# KiCad board RSTU.kicad_pcb

Outline 225 x 113 mm; copper layers: Top, Bottom. Coordinates in mm from the lower left corner of the outline.
Outline path: 0,113 225,113 225,0 0,0 0,113

## Placement (name value [footprint] x y rotation side)
J_K083  Conn_02x14_Counter_Clockwise  [DIP-28_W15.24mm]  176.61 75.93 90 top
J_K85  Conn_02x14_Counter_Clockwise  [DIP-28_W15.24mm]  120.99 6.84 90 top
J_K502  Conn_02x14_Counter_Clockwise  [DIP-28_W15.24mm]  6.81 75.68 90 top
J_K503  Conn_02x20_Counter_Clockwise  [DIP-40_W15.24mm]  166.71 7.22 90 top
RN1  10k?  [R_Array_SIP9]  29.93 52.31 180 top
U1  74LS00  [DIP-14_W7.62mm]  116.92 83.05 90 top
U2  74LS86  [DIP-14_W7.62mm]  117.93 27.94 90 top
U3  74LS04  [DIP-14_W7.62mm]  138.51 82.93 90 top
U4  74LS86  [DIP-14_W7.62mm]  142.32 28.32 90 top
U5  74LS273  [DIP-20_W7.62mm]  106.77 40.64 90 top
U6  74LS273  [DIP-20_W7.62mm]  135.85 40.62 90 top
U7  74LS83  [DIP-16_W7.62mm]  114.4 54.35 90 top
U8  74LS83  [DIP-16_W7.62mm]  138.51 54.59 90 top
U9  74LS257  [DIP-16_W7.62mm]  114.27 68.07 90 top
U10  74LS257  [DIP-16_W7.62mm]  138.4 68.07 90 top
U11  74LS74  [DIP-14_W7.62mm]  14.81 95.36 90 top
U12  74LS244  [DIP-20_W7.62mm]  6.95 57.4 90 top
U13  74LS273  [DIP-20_W7.62mm]  6.81 39.48 90 top
U14  7425  [DIP-14_W7.62mm]  14.3 21.33 90 top
U15  74LS00  [DIP-14_W7.62mm]  42.63 95.74 90 top
U16  74LS32  [DIP-14_W7.62mm]  43 79.75 90 top
U17  74LS157  [DIP-16_W7.62mm]  40.48 56.89 90 top
U18  74LS157  [DIP-16_W7.62mm]  40.23 39.24 90 top
U19  74LS157  [DIP-16_W7.62mm]  40.34 21.32 90 top
U20  74LS194  [DIP-16_W7.62mm]  65.76 95.75 90 top
U21  74LS194  [DIP-16_W7.62mm]  65.63 79.88 90 top
U22  74LS157  [DIP-16_W7.62mm]  66.63 56.88 90 top
U23  74LS04  [DIP-14_W7.62mm]  69.04 38.73 90 top
U24  74LS74  [DIP-14_W7.62mm]  68.79 21.32 90 top
U25  74LS194  [DIP-16_W7.62mm]  89 95.75 90 top
U26  74LS194  [DIP-16_W7.62mm]  89.25 79.88 90 top
U27  74LS74  [DIP-14_W7.62mm]  91.64 56.89 90 top
U28  74LS74  [DIP-14_W7.62mm]  92.03 24.89 90 top
U29  74LS32  [DIP-14_W7.62mm]  91.77 7.49 90 top
U30  74LS86  [DIP-14_W7.62mm]  169.37 60.07 90 top
U31  74LS283  [DIP-16_W7.62mm]  166.71 43.42 90 top
U32  74LS283  [DIP-16_W7.62mm]  166.72 28.32 90 top
U33  74LS20  [DIP-14_W7.62mm]  202.01 60.18 90 top
U34  74LS273  [DIP-20_W7.62mm]  194.39 43.55 90 top
U35  74LS86  [DIP-14_W7.62mm]  199.73 28.31 90 top

## Library data of the parts
J_K083 J_K85 J_K502 = -: Description: Generic connector, double row, 02x14, counter clockwise pin numbering scheme (similar to DIP package numbering), script generated (kicad-library-utils/schlib/autogen/connector/)
J_K503 = -: Description: Generic connector, double row, 02x20, counter clockwise pin numbering scheme (similar to DIP package numbering), script generated (kicad-library-utils/schlib/autogen/connector/)
RN1 = -: Description: 8 resistor network, star topology, bussed resistors, small symbol
U1 U15 = -: Description: quad 2-input NAND gate
U2 U4 U30 U35 = -: Description: Quad 2-input XOR
U3 U23 = -: Description: Hex Inverter
U5 U6 U13 U34 = -: Description: 8-bit D Flip-Flop, reset
U7 U8 = -: Description: 4-bit Full Adder
U9 U10 = -: Description: Quad 2 to 1 Multiplexer
U11 U24 U27 U28 = -: Description: Dual D Flip-flop, Set & Reset
U12 = -: Description: Octal Buffer and Line Driver With 3-State Output, active-low enables, non-inverting outputs
U16 U29 = -: Description: Quad 2-input OR
U17-U19 U22 = -: Description: Quad 2 to 1 line Multiplexer
U20 U21 U25 U26 = -: Description: Shift Register 4-bit Bidirectional
U31 U32 = -: Description: 4-bit full Adder
U33 = -: Description: Dual 4-input NAND

## Footprints (pads in the part's own frame, mm; a bottom-side part is the same pattern mirrored in y, then rotated)
DIP-14_W7.62mm
  rect 1.6x1.6 hole 0.8: 1(0,0)
  oval 1.6x1.6 hole 0.8: 2(0,-2.54) 3(0,-5.08) 4(0,-7.62) 5(0,-10.16) 6(0,-12.7) 7(0,-15.24) 8(7.62,-15.24) 9(7.62,-12.7) 10(7.62,-10.16) 11(7.62,-7.62) 12(7.62,-5.08) 13(7.62,-2.54) 14(7.62,0)
DIP-16_W7.62mm
  rect 1.6x1.6 hole 0.8: 1(0,0)
  oval 1.6x1.6 hole 0.8: 2(0,-2.54) 3(0,-5.08) 4(0,-7.62) 5(0,-10.16) 6(0,-12.7) 7(0,-15.24) 8(0,-17.78) 9(7.62,-17.78) 10(7.62,-15.24) 11(7.62,-12.7) 12(7.62,-10.16) 13(7.62,-7.62) 14(7.62,-5.08) 15(7.62,-2.54) 16(7.62,0)
DIP-20_W7.62mm
  rect 1.6x1.6 hole 0.8: 1(0,0)
  oval 1.6x1.6 hole 0.8: 2(0,-2.54) 3(0,-5.08) 4(0,-7.62) 5(0,-10.16) 6(0,-12.7) 7(0,-15.24) 8(0,-17.78) 9(0,-20.32) 10(0,-22.86) 11(7.62,-22.86) 12(7.62,-20.32) 13(7.62,-17.78) 14(7.62,-15.24) 15(7.62,-12.7) 16(7.62,-10.16) 17(7.62,-7.62) 18(7.62,-5.08) 19(7.62,-2.54) 20(7.62,0)
DIP-28_W15.24mm
  rect 1.6x1.6 hole 0.8: 1(0,0)
  oval 1.6x1.6 hole 0.8: 2(0,-2.54) 3(0,-5.08) 4(0,-7.62) 5(0,-10.16) 6(0,-12.7) 7(0,-15.24) 8(0,-17.78) 9(0,-20.32) 10(0,-22.86) 11(0,-25.4) 12(0,-27.94) 13(0,-30.48) 14(0,-33.02) 15(15.24,-33.02) 16(15.24,-30.48) 17(15.24,-27.94) 18(15.24,-25.4) 19(15.24,-22.86) 20(15.24,-20.32) 21(15.24,-17.78) 22(15.24,-15.24) 23(15.24,-12.7) 24(15.24,-10.16) 25(15.24,-7.62) 26(15.24,-5.08) 27(15.24,-2.54) 28(15.24,0)
DIP-40_W15.24mm
  rect 1.6x1.6 hole 0.8: 1(0,0)
  oval 1.6x1.6 hole 0.8: 2(0,-2.54) 3(0,-5.08) 4(0,-7.62) 5(0,-10.16) 6(0,-12.7) 7(0,-15.24) 8(0,-17.78) 9(0,-20.32) 10(0,-22.86) 11(0,-25.4) 12(0,-27.94) 13(0,-30.48) 14(0,-33.02) 15(0,-35.56) 16(0,-38.1) 17(0,-40.64) 18(0,-43.18) 19(0,-45.72) 20(0,-48.26) 21(15.24,-48.26) 22(15.24,-45.72) 23(15.24,-43.18) 24(15.24,-40.64) 25(15.24,-38.1) 26(15.24,-35.56) 27(15.24,-33.02) 28(15.24,-30.48) 29(15.24,-27.94) 30(15.24,-25.4) 31(15.24,-22.86) 32(15.24,-20.32) 33(15.24,-17.78) 34(15.24,-15.24) 35(15.24,-12.7) 36(15.24,-10.16) 37(15.24,-7.62) 38(15.24,-5.08) 39(15.24,-2.54) 40(15.24,0)
R_Array_SIP9
  rect 1.6x1.6 hole 0.8: 1(0,0)
  oval 1.6x1.6 hole 0.8: 2(2.54,0) 3(5.08,0) 4(7.62,0) 5(10.16,0) 6(12.7,0) 7(15.24,0) 8(17.78,0) 9(20.32,0)

## Nets
+5V: J_K083.28 J_K85.28 J_K502.28 J_K503.40 U1.14 U2.14 U3.14 U4.14 U5.20 U6.1 U6.20 U7.5 U8.5 U9.16 U10.16 U11.4 U11.10 U11.13 U11.14 U12.20 U13.1 U13.20 U14.3 U14.11 U14.14 U15.14 U16.14 U17.16 U18.16 U19.16 U20.1 U20.16 U21.1 U21.16 U22.16 U23.14 U24.1 U24.4 U24.10 U24.13 U24.14 U25.1 U25.16 U26.1 U26.16 U27.1 U27.4 U27.10 U27.13 U27.14 U28.1 U28.4 U28.10 U28.13 U28.14 U29.14 U30.14 U31.16 U32.16 U33.1 U33.14 U34.1 U34.20 U35.14
GND: J_K083.14 J_K85.14 J_K502.14 J_K503.20 RN1.1 U1.7 U2.7 U3.7 U4.7 U5.10 U6.10 U7.12 U8.12 U9.8 U10.8 U11.7 U12.10 U13.10 U14.7 U15.7 U16.7 U17.8 U17.15 U18.8 U18.15 U19.8 U19.15 U20.8 U21.8 U22.8 U22.15 U23.7 U24.7 U25.8 U26.8 U27.7 U28.7 U29.7 U30.7 U30.12 U31.7 U31.8 U32.8 U33.7 U34.10 U35.7
I_D0: J_K85.1 U6.3
I_D1: J_K85.2 U6.4
I_D2: J_K85.3 U6.7
I_D3: J_K85.4 U6.8
I_D4: J_K85.5 U6.13
I_D5: J_K85.6 U6.14
I_D6: J_K85.7 U6.17
I_D7: J_K85.8 U6.18
I_FLIP: J_K85.13 U2.2 U2.5 U2.10 U2.13 U4.2 U4.5 U4.10 U4.13
I_nVWR: J_K85.15 U6.11
I_OFFSET: J_K85.10 U3.3
K83_CLK: U20.11 U21.11 U25.11 U26.11 U30.11
K83_S0: U15.6 U20.9 U21.9 U25.9 U26.9
K83_S1: U15.11 U20.10 U21.10 U25.10 U26.10
nP15: U23.6 U33.4
nP16: U23.8 U27.11 U28.11 U29.10 U30.4 U33.2
P83_01: J_K083.1 U30.13
P83_02: J_K083.2 U15.1 U15.2 U15.13 U22.1
P83_03: J_K083.3 U26.3
P83_04: J_K083.4 U20.3
P83_05: J_K083.5 U25.3
P83_06: J_K083.6 U21.3
P83_07: J_K083.7 U26.4
P83_08: J_K083.8 U20.4
P83_09: J_K083.9 U25.4
P83_10: J_K083.10 U21.4
P83_12: J_K083.12 U22.12
P83_13: J_K083.13 U22.4
P83_16: J_K083.16 U22.9
P83_17: J_K083.17 U22.7
P83_19: J_K083.19 U21.6
P83_20: J_K083.20 U25.6
P83_21: J_K083.21 U20.6
P83_22: J_K083.22 U26.6
P83_23: J_K083.23 U21.5
P83_24: J_K083.24 U25.5
P83_25: J_K083.25 U20.5
P83_26: J_K083.26 U26.5
P83_27: J_K083.27 U15.9 U15.10 U20.2 U20.7 U21.2 U21.7 U25.2 U25.7 U26.2 U26.7
P85_09: J_K85.9 U1.1
P85_12: J_K85.12 U1.5 U3.5
P85_16: J_K85.16 U1.2 U9.15 U10.15
P85_20: J_K85.20 U4.12 U10.12
P85_21: J_K85.21 U4.9 U10.9
P85_22: J_K85.22 U4.4 U10.7
P85_23: J_K85.23 U4.1 U10.4
P85_24: J_K85.24 U2.12 U9.12
P85_25: J_K85.25 U2.9 U9.9
P85_26: J_K85.26 U2.4 U9.7
P85_27: J_K85.27 U2.1 U9.4
P503_01: J_K503.1 U27.2 U32.12
P503_02: J_K503.2 U28.2 U32.14
P503_03: J_K503.3 U32.3
P503_04: J_K503.4 U32.5
P503_05: J_K503.5 U31.12
P503_06: J_K503.6 U31.14
P503_07: J_K503.7 U31.3
P503_08: J_K503.8 U31.5
P503_09: J_K503.9 U35.11
P503_10: J_K503.10 U30.8
P503_11: J_K503.11 U30.6
P503_12: J_K503.12 U35.8
P503_13: J_K503.13 U35.6
P503_14: J_K503.14 U35.3
P503_15: J_K503.15 U23.5 U29.2
P503_16: J_K503.16 U23.9 U29.4
P503_17: J_K503.17 U29.1 U30.10 U33.5
P503_18: J_K503.18 U33.6
P503_19: J_K503.19 U29.8 U34.11
P503_29: J_K503.29 U33.8
P503_30: J_K503.30 U28.9 U30.5 U30.9
P503_32: J_K503.32 U31.6
P503_33: J_K503.33 U31.2
P503_34: J_K503.34 U31.15
P503_35: J_K503.35 U31.11
P503_36: J_K503.36 U32.6
P503_37: J_K503.37 U32.2
P503_38: J_K503.38 U32.15
P503_39: J_K503.39 U32.11
PIN01: J_K502.1 RN1.8 U12.3 U13.3
PIN02: J_K502.2 RN1.6 U12.5 U13.4
PIN03: J_K502.3 RN1.4 U12.7 U13.7
PIN04: J_K502.4 RN1.2 U12.9 U13.8
PIN05: J_K502.5 U23.11
PIN06: J_K502.6 U16.13 U29.13
PIN07: J_K502.7 U23.3 U24.3
PIN08: J_K502.8 U11.11
PIN09: J_K502.9 U11.3
PIN10: J_K502.10 U18.13 U19.13
PIN11: J_K502.11 U18.10 U19.10
PIN12: J_K502.12 U18.3 U19.3
PIN13: J_K502.13 U18.6 U19.6
PIN15: J_K502.15 U16.5 U17.7
PIN16: J_K502.16 U16.10 U17.4
PIN17: J_K502.17 U16.9 U17.9
PIN18: J_K502.18 U16.4 U17.12
PIN19: J_K502.19 U23.12
PIN20: J_K502.20 U24.8 U29.12
PIN21: J_K502.21 U16.12 U17.1 U24.9
PIN22: J_K502.22 U24.5
PIN23: J_K502.23 RN1.3 U12.12 U13.13
PIN24: J_K502.24 RN1.5 U12.14 U13.14
PIN25: J_K502.25 RN1.7 U12.16 U13.17
PIN26: J_K502.26 RN1.9 U12.18 U13.18
PIN27: J_K502.27 U11.1
UNK1: U14.6 U19.1
UNK2: U14.8 U18.1
Net-(U1-Pad3): U1.3 U1.4 U3.1
Net-(U1-Pad6): U1.6 U1.9
Net-(U1-Pad10): U1.10 U3.2
Net-(U5-Cp): U1.8 U5.11
Net-(U5-D0): U2.3 U5.3
Net-(U5-D1): U2.6 U5.4
Net-(U5-D2): U2.8 U5.7
Net-(U5-D3): U2.11 U5.8
Net-(U5-D4): U4.3 U5.13
Net-(U5-D5): U4.6 U5.14
Net-(U5-D6): U4.8 U5.17
Net-(U5-D7): U4.11 U5.18
Net-(U5-Q0): U5.2 U7.11 U9.3
Net-(U5-Q1): U5.5 U7.7 U9.6
Net-(U5-Q2): U5.6 U7.4 U9.10
Net-(U5-Q3): U5.9 U7.16 U9.13
Net-(U6-Q0): U6.2 U7.10
Net-(U6-Q1): U6.5 U7.8
Net-(U6-Q2): U6.6 U7.3
Net-(U6-Q3): U6.9 U7.1
Net-(U6-Q4): U6.12 U8.10
Net-(U6-Q5): U6.15 U8.8
Net-(U6-Q6): U6.16 U8.3
Net-(U6-Q7): U6.19 U8.1
Net-(U7-C4): U7.14 U8.13
Net-(U7-S1): U7.9 U9.2
Net-(U7-S2): U7.6 U9.5
Net-(U7-S3): U7.2 U9.11
Net-(U7-S4): U7.15 U9.14
Net-(U10-I0a): U8.9 U10.2
Net-(U10-I0b): U8.6 U10.5
Net-(U10-I0c): U8.15 U10.14
Net-(U10-I0d): U8.2 U10.11
Net-(U10-I1a): U5.12 U8.11 U10.3
Net-(U10-I1b): U5.15 U8.7 U10.6
Net-(U10-I1c): U5.19 U8.16 U10.13
Net-(U10-I1d): U5.16 U8.4 U10.10
Net-(U10-S): U3.4 U9.1 U10.1
Net-(U11A-D): U11.2 U11.6
Net-(U11A-Q): U11.5 U11.12
Net-(U11B-Q): U11.9 U24.2 U24.12
Net-(U12-I0a): U12.2 U18.7
Net-(U12-I0b): U12.11 U19.7
Net-(U12-I1a): U12.4 U18.4
Net-(U12-I1b): U12.13 U19.4
Net-(U12-I2a): U12.6 U18.9
Net-(U12-I2b): U12.15 U19.9
Net-(U12-I3a): U12.8 U18.12
Net-(U12-I3b): U12.17 U19.12
Net-(U12-OEa): U12.1 U29.11
Net-(U12-OEb): U12.19 U16.11
Net-(U13-Cp): U13.11 U23.10
Net-(U13-Q0): U13.2 U14.1 U17.13 U19.14
Net-(U13-Q1): U13.5 U14.2 U17.10 U19.11
Net-(U13-Q2): U13.6 U14.4 U17.3 U19.2
Net-(U13-Q3): U13.9 U14.5 U17.6 U19.5
Net-(U13-Q4): U13.12 U14.9 U17.14 U18.14
Net-(U13-Q5): U13.15 U14.10 U17.11 U18.11
Net-(U13-Q6): U13.16 U14.12 U17.2 U18.2
Net-(U13-Q7): U13.19 U14.13 U17.5 U18.5
Net-(U15-Pad3): U15.3 U15.4
Net-(U15-Pad12): U15.5 U15.8 U15.12
Net-(U16-Pad1): U16.1 U16.8
Net-(U16-Pad2): U16.2 U16.6
Net-(U16-Pad3): U16.3 U23.13
Net-(U20-Q0): U20.15 U22.14
Net-(U20-Q3): U20.12 U22.13
Net-(U21-Q0): U21.15 U22.2
Net-(U21-Q3): U21.12 U22.3
Net-(U22-I0b): U22.5 U26.15
Net-(U22-I0c): U22.11 U25.15
Net-(U22-I1b): U22.6 U26.12
Net-(U22-I1c): U22.10 U25.12
Net-(U24B-C): U23.4 U24.11
Net-(U27A-C): U27.3 U28.3 U29.6
Net-(U27A-Q): U27.5 U27.12
Net-(U27B-Q): U27.9 U35.2 U35.5 U35.9 U35.12
Net-(U28A-Q): U28.5 U28.12
Net-(U29-Pad3): U29.3 U29.5 U29.9
Net-(U31-C4): U31.9 U32.7
Net-(U31-S1): U31.4 U34.3
Net-(U31-S2): U31.1 U34.4
Net-(U31-S3): U31.13 U34.17
Net-(U31-S4): U31.10 U34.18
Net-(U32-S1): U32.4 U34.7
Net-(U32-S2): U32.1 U34.14
Net-(U32-S3): U32.13 U34.13
Net-(U32-S4): U32.10 U34.8
Net-(U34-Q0): U34.2 U35.1
Net-(U34-Q1): U34.5 U35.4
Net-(U34-Q2): U33.12 U34.6
Net-(U34-Q3): U33.9 U34.9
Net-(U34-Q4): U33.10 U34.12
Net-(U34-Q5): U33.13 U34.15
Net-(U34-Q6): U34.16 U35.10
Net-(U34-Q7): U34.19 U35.13

Pads without a net: J_K083 11 15 18; J_K85 11 17 18 19; J_K503 21 22 23 24 25 26 27 28 31; U1 11 12 13; U3 6 8 9 10 11 12 13; U5 1; U7 13; U8 14; U11 8; U20 13 14; U21 13 14; U23 1 2; U24 6; U25 13 14; U26 13 14; U27 6 8; U28 6 8; U30 1 2 3; U32 9; U33 3 11

## Via types
v1: diameter 0.8, hole 0.4, Top to Bottom, 319 vias

## Routing (per net, layer and track width the routed paths; a pad name or vN(x,y) marks a point on that pad's centre or on a via; arc(x,y) is an arc through that point)
+5V: length 1458
  Top w0.25: 117.81,35.81 115.91,33.91 115.91,33.89 115.78,33.77 115.78,29.7 ; 135.85,48.37 135.85,38.21 137.75,36.31 v1(137.75,35.67) ; U23.14 66.77,46.35 66.76,46.34 ; 36.79,29.07 36.79,20.05 v1(36.91,19.92) ; 36.79,29.07 36.91,28.94 U19.16 ; 36.79,29.07 36.79,46.98 ; U24.4 76.41,25.64 77.81,27.04 77.81,27.29 78.95,28.43 U24.10 ; J_K85.28 119.34,20.43 119.34,18.4 ; 166.71,67.8 166.82,67.69 U30.14 ; 166.71,67.8 U31.16 165.44,49.77 165.44,49.26 165.31,49.13 165.31,40.37 166.72,38.96 U32.16 166.72,31.24 166.58,31.1 166.58,30.97 165.18,29.58 165.18,25.77 166.71,24.24 J_K503.40 165.82,21.58 165.82,20.69 165.06,19.92 165.06,19.16 164.93,19.04 164.93,5.19 166.71,3.41 v1(166.71,2.91) ; 166.71,67.8 166.71,91.43 ; v1(42.76,107.3) 42.63,107.17 42.63,101.33 40.47,99.17 40.47,93.97 42.5,91.93 42.5,88.63 43,88.13 U16.14 ; 166.71,91.43 166.71,107.17 171.28,111.75 v1(171.41,111.75) ; 166.71,91.43 166.96,91.17 176.61,91.17 ; 36.79,46.98 36.79,61.96 39.34,64.51 U17.16 ; 36.79,46.98 36.9,46.86 U18.16 ; U27.14 U27.13 ; U27.14 90.89,63.75 90.89,57.9 91.64,57.14 U27.1 91.64,56.24 90.76,55.36 90.89,55.23 90.89,33.01 91.53,33.01 U28.14 91.65,32.13 91.65,25.26 U28.1 91.77,24.63 U29.14 ; U27.14 91.01,65.14 91.01,69.96 89.11,71.87 89.11,72.5 89.25,72.64 U26.1 U26.16 89.25,88.39 90,89.14 90,93.33 88.86,94.47 89,94.62 U25.1 89,96.49 88.6,96.89 88.6,101.84 89,102.24 U25.16 89.87,104.25 89.87,104.89 91.65,106.67 91.78,106.67 91.78,110.09 v1(91.9,110.22) ; U14.3 19.38,21.57 21.67,23.86 21.67,24.24 21.92,24.49 U14.11 ; U35.14 198.84,36.81 198.46,36.81 194.65,40.62 194.65,40.88 194.39,41.13 U34.1 U34.20 194.39,53.96 197.31,56.88 198.2,56.88 201.5,60.18 U33.1 U33.14 ; 119.34,18.4 119.34,11.41 v1(119.46,11.29) ; 119.34,18.4 118.95,18.78 118.32,18.78 117.18,19.92 117.05,19.92 115.78,21.19 115.78,29.7 ; U24.1 U24.14 ; U24.14 U24.13 ; U24.14 68.79,33.13 66.76,35.16 66.76,46.34 ; 66.76,46.34 66.76,51.29 64.73,53.33 64.73,61.96 66.12,63.36 66.25,63.36 66.25,64.12 U22.16 66.63,76.06 66.38,76.31 66.38,76.95 65.23,78.09 65.63,78.49 U21.1 U21.16 65.63,95.63 U20.1 U20.16 v1(65.76,107.28) 65.74,107.3 ; 124.42,54.21 123.27,53.07 123.27,43.67 v1(122.51,42.91) ; 115.78,29.7 112.6,32.88 112.6,33.13 111.72,33.13 107.27,37.58 106.64,37.58 104.48,39.74 104.48,46.85 106,48.37 106.76,48.37 107.78,49.39 107.78,49.9 109.18,51.29 109.18,74.15 110.71,75.69 114.4,75.69 114.4,79.63 114.89,80.12 114.89,84.82 116.67,86.6 116.67,86.85 116.92,87.11 116.92,90.54 ; 22.44,95.36 22.44,100.31 22.56,100.44 22.56,100.57 U11.10 ; v1(138.64,111.36) 138.38,111.11 138.38,88.12 136.48,86.22 136.48,77.58 136.61,77.58 138.39,75.8 138.39,78.6 139.53,79.74 146.01,79.74 147.28,78.47 147.28,58.41 148.42,57.26 148.55,57.26 148.69,57.12 148.69,53.85 147.15,52.31 147.02,52.31 v1(147.02,50.02)
  Bottom w0.25: 14.94,107.3 14.81,107.17 U11.14 17.36,102.98 17.74,103.36 17.74,104.38 18.88,105.52 23.45,105.52 24.98,104 U11.10 ; 14.94,107.3 7.2,107.3 7.2,106.79 1.1,100.7 1.23,100.57 1.23,91.04 ; 14.94,107.3 72.47,107.3 75.9,110.73 75.9,110.98 93.3,110.98 93.81,110.48 94.19,110.48 96.35,112.63 137.37,112.63 v1(138.64,111.36) 139.53,112.25 170.14,112.25 170.64,111.75 v1(171.41,111.75) 172.17,112.51 204.17,112.51 210.9,105.78 211.79,105.78 222.08,95.49 222.59,95.49 222.59,70.98 220.94,69.33 220.94,69.07 203.54,69.07 203.41,68.95 203.16,68.95 U33.14 ; U27.13 95.32,65.64 95.59,65.64 98.76,68.82 98.76,68.95 101.81,68.95 101.81,68.31 102.19,67.93 102.19,65.9 101.81,65.51 U27.10 ; 1.23,65.39 1.23,91.04 ; 1.23,65.39 5.8,65.39 6.17,65.02 U12.20 ; 1.23,65.39 1.23,47.1 ; 1.23,91.04 1.35,90.92 6.81,90.92 ; U24.10 78.7,29.2 78.7,30.21 78.57,30.21 77.93,30.85 73.24,30.85 U24.13 ; v1(166.71,2.91) 166.33,2.91 165.82,2.4 89.62,2.4 89.49,2.53 ; U27.1 91.64,56.38 92.92,55.1 98,55.1 99.26,56.37 U27.4 ; v1(119.46,11.29) 90.13,11.29 89.49,10.65 89.49,2.53 ; 91.78,110.98 91.9,110.86 v1(91.9,110.22) ; 89.49,2.53 89.24,2.27 87.08,2.27 86.32,1.51 69.04,1.51 ; 142.32,35.93 138,35.93 v1(137.75,35.67) ; 135.85,48.37 136.23,47.99 136.23,47.23 136.35,47.23 136.86,46.72 143.59,46.72 143.97,47.1 144.74,47.1 144.74,49.64 145.12,50.02 v1(147.02,50.02) ; v1(36.91,19.92) 36.91,1.64 37.04,1.51 ; 69.04,1.51 68.79,1.76 U24.1 ; 69.04,1.51 37.04,1.51 ; 1.23,39.48 1.23,47.1 ; 1.23,39.48 U13.1 ; 1.23,39.48 1.23,29.45 ; 1.23,47.1 U13.20 ; U28.10 102.19,31.86 101.05,30.72 96.22,30.72 95.46,31.48 95.33,31.48 95.33,31.74 U28.13 U28.14 ; 1.23,29.45 1.23,11.92 5.67,7.48 5.67,5.45 9.73,1.38 9.86,1.51 37.04,1.51 ; 1.23,29.45 1.35,29.58 13.68,29.58 U14.14 14.81,29.46 14.81,30.21 15.07,30.21 16.09,31.23 20.66,31.23 21.92,29.96 U14.11 ; U28.4 99.65,23.98 98.38,22.72 94.06,22.72 93.17,23.61 93.05,23.61 93.05,23.87 U28.1 ; v1(109.56,35.42) 109.56,37.7 110.57,38.72 110.57,42.53 112.1,44.05 121.37,44.05 v1(122.51,42.91)
GND: length 1337
  Top w0.25: 154.01,1.13 154.13,1.25 214.97,1.25 ; 154.01,1.13 154.01,1 132.67,1 ; 154.01,1.13 J_K85.14 ; 85.3,112.88 85.43,112.75 85.43,95.74 ; 85.3,112.88 59.39,112.88 ; 85.3,112.88 108.67,112.88 ; 59.39,112.88 43.88,112.88 41.1,110.09 41.1,109.71 39.71,108.32 39.71,107.94 38.18,106.41 38.18,105.4 34.88,102.09 34.88,101.46 33.61,100.19 33.61,99.68 32.34,98.41 32.34,97.65 U11.7 ; 59.39,112.88 59.52,112.75 59.52,100.57 57.87,98.92 U15.7 57.87,90.54 57.74,90.41 59.39,88.76 59.39,80.9 U16.7 59.14,79.61 59.14,75.93 v1(59.39,74.92) 59.27,74.79 59.27,69.96 60.03,69.2 60.15,69.2 60.15,56.9 60.14,56.89 ; U13.10 31.7,39.48 ; 31.7,39.48 31.7,21.33 ; 31.7,39.48 31.7,48 29.8,49.9 29.8,55.23 29.81,55.23 U12.10 ; 108.67,112.88 108.67,97.64 U25.8 106.78,92.81 108.16,91.43 108.16,85.2 107.78,84.82 107.78,84.44 107.02,83.68 107.03,83.66 U26.8 107.03,75.06 106.89,74.92 106.89,74.53 108.16,73.26 108.16,61.71 106.88,60.43 U27.7 ; 108.67,112.88 204.69,112.88 211.79,105.78 211.79,77.58 210.9,76.69 210.39,76.69 209.63,75.93 209.63,73.9 209.76,73.77 209.63,73.77 208.11,72.25 207.47,72.25 205.44,70.22 176.23,70.22 175.09,69.07 175.09,68.33 174.45,67.69 ; 85.43,95.74 85.42,95.75 U20.8 ; 85.43,95.74 85.43,81.27 84.04,79.88 U21.8 83.41,70.99 83.27,70.85 86.06,68.06 86.06,57.01 85.94,56.88 ; 107.27,1.25 107.27,0.87 132.54,0.87 132.67,1 ; 107.27,1.25 60.03,1.25 ; 107.27,1.25 107.27,6.59 106.89,6.97 106.89,9.64 109.05,11.8 109.05,19.92 107.27,21.7 107.27,28.43 108.41,29.58 108.29,29.7 108.29,34.4 106.25,36.43 105.62,36.43 103.33,38.72 103.33,51.29 107.14,55.1 v1(107.14,56.75) ; 85.94,56.88 86.06,56.75 86.06,38.85 ; 85.94,56.88 U22.8 ; 60.15,21.45 60.15,1.38 60.03,1.25 ; 60.15,21.45 60.03,21.32 U19.8 ; 60.15,21.45 60.15,39.23 ; 86.06,38.85 86.06,26.91 84.03,24.88 U24.7 ; 86.06,38.85 85.94,38.73 84.28,38.73 ; 214.97,1.25 220.17,1.25 222.59,3.67 222.59,48.12 222.46,48.25 223.48,49.26 223.48,60.44 v1(223.6,60.56) ; 214.97,1.25 J_K503.20 ; U14.7 31.7,21.33 ; 31.7,21.33 31.71,21.32 31.71,3.67 34.12,1.25 60.03,1.25 ; v1(154.39,10.4) 154.39,18.91 157.56,22.08 157.56,30.85 158.32,31.61 158.32,34.15 159.09,34.91 159.09,40.37 158.71,40.75 158.71,41.13 159.09,41.51 159.09,46.34 160.1,47.36 160.1,60.31 158.07,62.34 158.07,65.64 156.8,66.91 156.8,67.55 156.17,68.18 156.17,71.99 156.04,72.12 158.45,74.53 158.2,74.79 158.2,79.11 155.53,81.77 154.77,81.77 153.62,82.93 ; 132.67,1 132.29,1 132.54,1.25 132.54,27.04 133.05,27.54 133.05,28.19 ; v1(124.54,66.03) 124.42,65.9 124.42,61.83 ; U19.15 42.37,29.45 42.37,34.02 42.5,34.15 41.1,35.55 41.1,36.05 41.35,36.3 41.35,41.39 41.1,41.64 42.37,42.91 42.37,45.32 42.77,45.72 U18.15 42.37,47.25 42.37,50.53 41.23,51.67 41.23,51.93 41.61,52.31 41.61,58.92 41.36,59.17 42.5,60.31 42.5,60.82 42.76,61.07 42.76,62.98 43.02,63.25 U17.15 43.02,65.5 42.5,66.03 42.5,73.01 40.72,74.79 40.6,74.79 40.6,74.92 J_K502.14 ; 60.15,39.23 60.14,39.24 U18.8 ; 60.15,39.23 60.15,56.88 60.14,56.89 ; 184.61,60.07 184.61,54.22 184.61,54.21 184.61,53.96 186.52,52.06 186.52,49.13 184.49,47.1 U31.8 ; 60.14,56.89 U17.8 ; 132.18,68.07 132.18,69.82 130.77,71.23 130.77,81.65 131.02,81.9 131.15,81.9 132.16,82.92
  Bottom w0.25: 215.83,27.57 214.27,26.02 213.95,26.02 213.7,25.77 186.9,25.77 186.9,25.92 U32.8 ; 215.83,27.57 216.05,27.8 v1(222.59,27.8) ; 215.83,27.57 215.7,27.57 U35.7 ; v1(107.14,56.75) 107.14,57.52 108.92,59.29 108.92,59.8 112.6,63.48 117.56,63.48 118.07,62.98 118.07,60.56 118.32,60.31 118.57,60.56 123.27,60.56 123.27,60.69 124.42,61.83 ; J_K85.14 154.01,10.02 v1(154.39,10.4) ; 148.69,62.23 148.69,61.31 149.94,60.06 159.98,60.06 v1(160.1,59.93) ; 222.59,60.06 223.09,60.06 v1(223.6,60.56) ; 222.59,60.06 219.16,60.06 219.03,60.18 U33.7 ; 222.59,60.06 221.19,58.66 221.19,57.9 219.28,55.99 214.2,55.99 212.68,57.52 199.98,57.52 197.82,59.67 185.88,59.67 185.49,60.07 184.61,60.07 ; U22.15 68.54,63.87 68.54,63.36 67.9,63.36 67.27,62.72 v1(60.15,62.72) ; U34.10 v1(222.59,43.55) ; 129.62,40.75 132.42,40.75 132.42,40.37 135.72,37.07 154.01,37.07 154.39,37.45 155.15,37.45 156.67,38.97 157.06,38.97 157.82,39.74 158.2,39.74 158.2,40.24 158.71,40.75 ; 132.18,68.07 132.18,67.44 130.77,66.03 v1(124.54,66.03) ; U31.7 U31.8 ; J_K502.14 40.34,75.17 59.14,75.17 v1(59.39,74.92)
I_D0: length 54.3
  Top w0.25: 140.93,40.75 140.93,39.86 140.29,39.23 140.29,37.32 140.04,37.07 140.04,28.81 139.91,28.69 139.91,20.31 140.42,19.8 140.42,16.62 139.91,16.11 v1(139.91,9.51)
  Bottom w0.25: J_K85.1 120.99,9.51 121.75,10.27 123.4,10.27 124.16,9.51 v1(139.91,9.51)
I_D1: length 53.7
  Top w0.25: v1(143.08,11.29) 143.08,11.8 142.58,12.3 142.58,23.23 143.34,23.99 143.34,25.51 143.59,25.77 143.47,25.89 143.47,40.75 ; v1(124.29,11.29) 123.91,10.91 123.91,7.22 J_K85.2
  Bottom w0.25: v1(124.29,11.29) v1(143.08,11.29)
I_D2: length 58.3
  Top w0.25: J_K85.3 v1(126.07,12.81) ; v1(148.04,12.43) 147.53,12.94 147.53,23.73 148.55,24.75 148.55,29.45 148.67,29.58 148.67,29.96 151.34,32.62 151.09,32.88 151.09,40.75
  Bottom w0.25: v1(126.07,12.81) 126.7,12.81 126.96,12.56 147.91,12.56 v1(148.04,12.43)
I_D3: length 57.2
  Top w0.25: v1(138.26,38.34) 138.26,38.21 138.77,37.7 138.77,33.01 136.73,30.97 136.73,28.69 137.24,28.18 137.24,25.77 134.96,23.48 v1(134.96,13.57) ; J_K85.4 128.61,13.57 v1(128.73,13.7)
  Bottom w0.25: 153.63,40.75 153.63,39.86 152.1,38.34 v1(138.26,38.34) ; v1(128.73,13.7) 129.37,13.7 129.62,13.45 134.83,13.45 v1(134.96,13.57)
I_D4: length 78.8
  Top w0.25: v1(161.5,45.83) 162.01,45.32 162.01,36.43 161.37,35.8 161.37,26.53 159.72,24.88 159.72,20.69 160.1,20.31 160.23,20.31 160.23,19.42 160.74,18.91 160.74,16.11 v1(160.36,15.73) ; v1(131.53,15.48) 131.15,15.1 J_K85.5
  Bottom w0.25: 153.63,48.37 156.42,45.58 161.25,45.58 v1(161.5,45.83) ; v1(160.36,15.73) 131.78,15.73 v1(131.53,15.48)
I_D5: length 78.1
  Top w0.25: v1(159.59,17) 159.59,19.42 159.72,19.54 159.09,20.18 159.09,24.88 160.74,26.53 160.74,42.66 v1(160.99,42.91) ; 151.09,48.37 151.09,44.18 151.21,44.05 151.21,43.67 v1(151.59,43.29) ; v1(133.69,17) 133.43,16.75 133.43,7.73 133.69,7.48 J_K85.6
  Bottom w0.25: v1(133.69,17) v1(159.59,17) ; v1(151.59,43.29) 151.97,42.91 v1(160.99,42.91)
I_D6: length 47.8
  Top w0.25: 143.47,48.37 142.07,46.98 142.07,38.34 140.93,37.2 140.93,31.1 141.69,30.34 v1(141.69,29.96) ; J_K85.7 136.23,8.49 136.35,8.62 136.35,18.15 137.5,19.29 137.5,24.12 138.13,24.75 138.13,29.83 v1(137.88,30.08)
  Bottom w0.25: v1(137.88,30.08) 138,29.96 v1(141.69,29.96)
I_D7: length 82.4
  Top w0.25: v1(139.02,31.48) 139.02,32.37 139.4,32.75 139.4,40.18 139.78,40.56 139.78,42.66 140.8,43.67 140.8,43.93 140.93,44.05 140.93,48.37 ; v1(158.96,30.47) 159.09,30.34 159.09,26.15 158.45,25.51 158.45,20.56 158.58,20.43 v1(158.58,18.78) ; v1(138.89,18.65) 138.51,18.27 138.51,7.99 138.77,7.73 J_K85.8
  Bottom w0.25: v1(158.58,18.78) 158.07,18.27 140.29,18.27 139.91,18.65 v1(138.89,18.65) ; v1(139.02,31.48) 150.58,31.48 151.85,30.21 152.1,30.47 v1(158.96,30.47)
I_FLIP: length 119
  Top w0.25: v1(145.12,8.37) 145.12,23.86 144.61,24.37 144.61,26.4 144.86,26.66 144.86,35.93 ; 127.97,35.81 127.97,28.19 ; v1(122.38,9) 122.26,9.13 122.26,24.5 120.35,26.41 120.35,35.81 ; 152.48,35.93 152.1,35.55 152.1,35.04 151.97,34.91 151.97,28.81 152.48,28.31
  Bottom w0.25: v1(122.38,9) 122.76,9 123.27,8.49 137.62,8.49 137.88,8.24 150.58,8.24 150.58,7.73 J_K85.13 ; 152.48,28.31 151.09,29.7 146.26,29.7 144.86,28.31 ; 120.35,28.19 121.61,29.45 126.83,29.45 126.83,29.33 127.97,28.19
I_nVWR: length 31
  Top w0.25: v1(153.5,32.37) 153.61,32.26 153.61,22.48 J_K85.15 ; v1(156.8,32.62) 156.8,32.75 156.15,33.4 156.15,37.56 157.56,38.97 157.56,47.23 158.71,48.37